# Altium PCB RTM_SFP.PcbDoc (part 6 of 7)
Units mm, origin at the board's own origin, x right, y up, seen from the top; angles counter-clockwise.
Board outline 182.5 x 148.5 mm, 4 copper layers (Top Layer, MidPlane_1, MidPlane_2, Bottom Layer), stack 0.883 mm thick; 377 components, 317 nets, 1528 pads, 1541 vias.
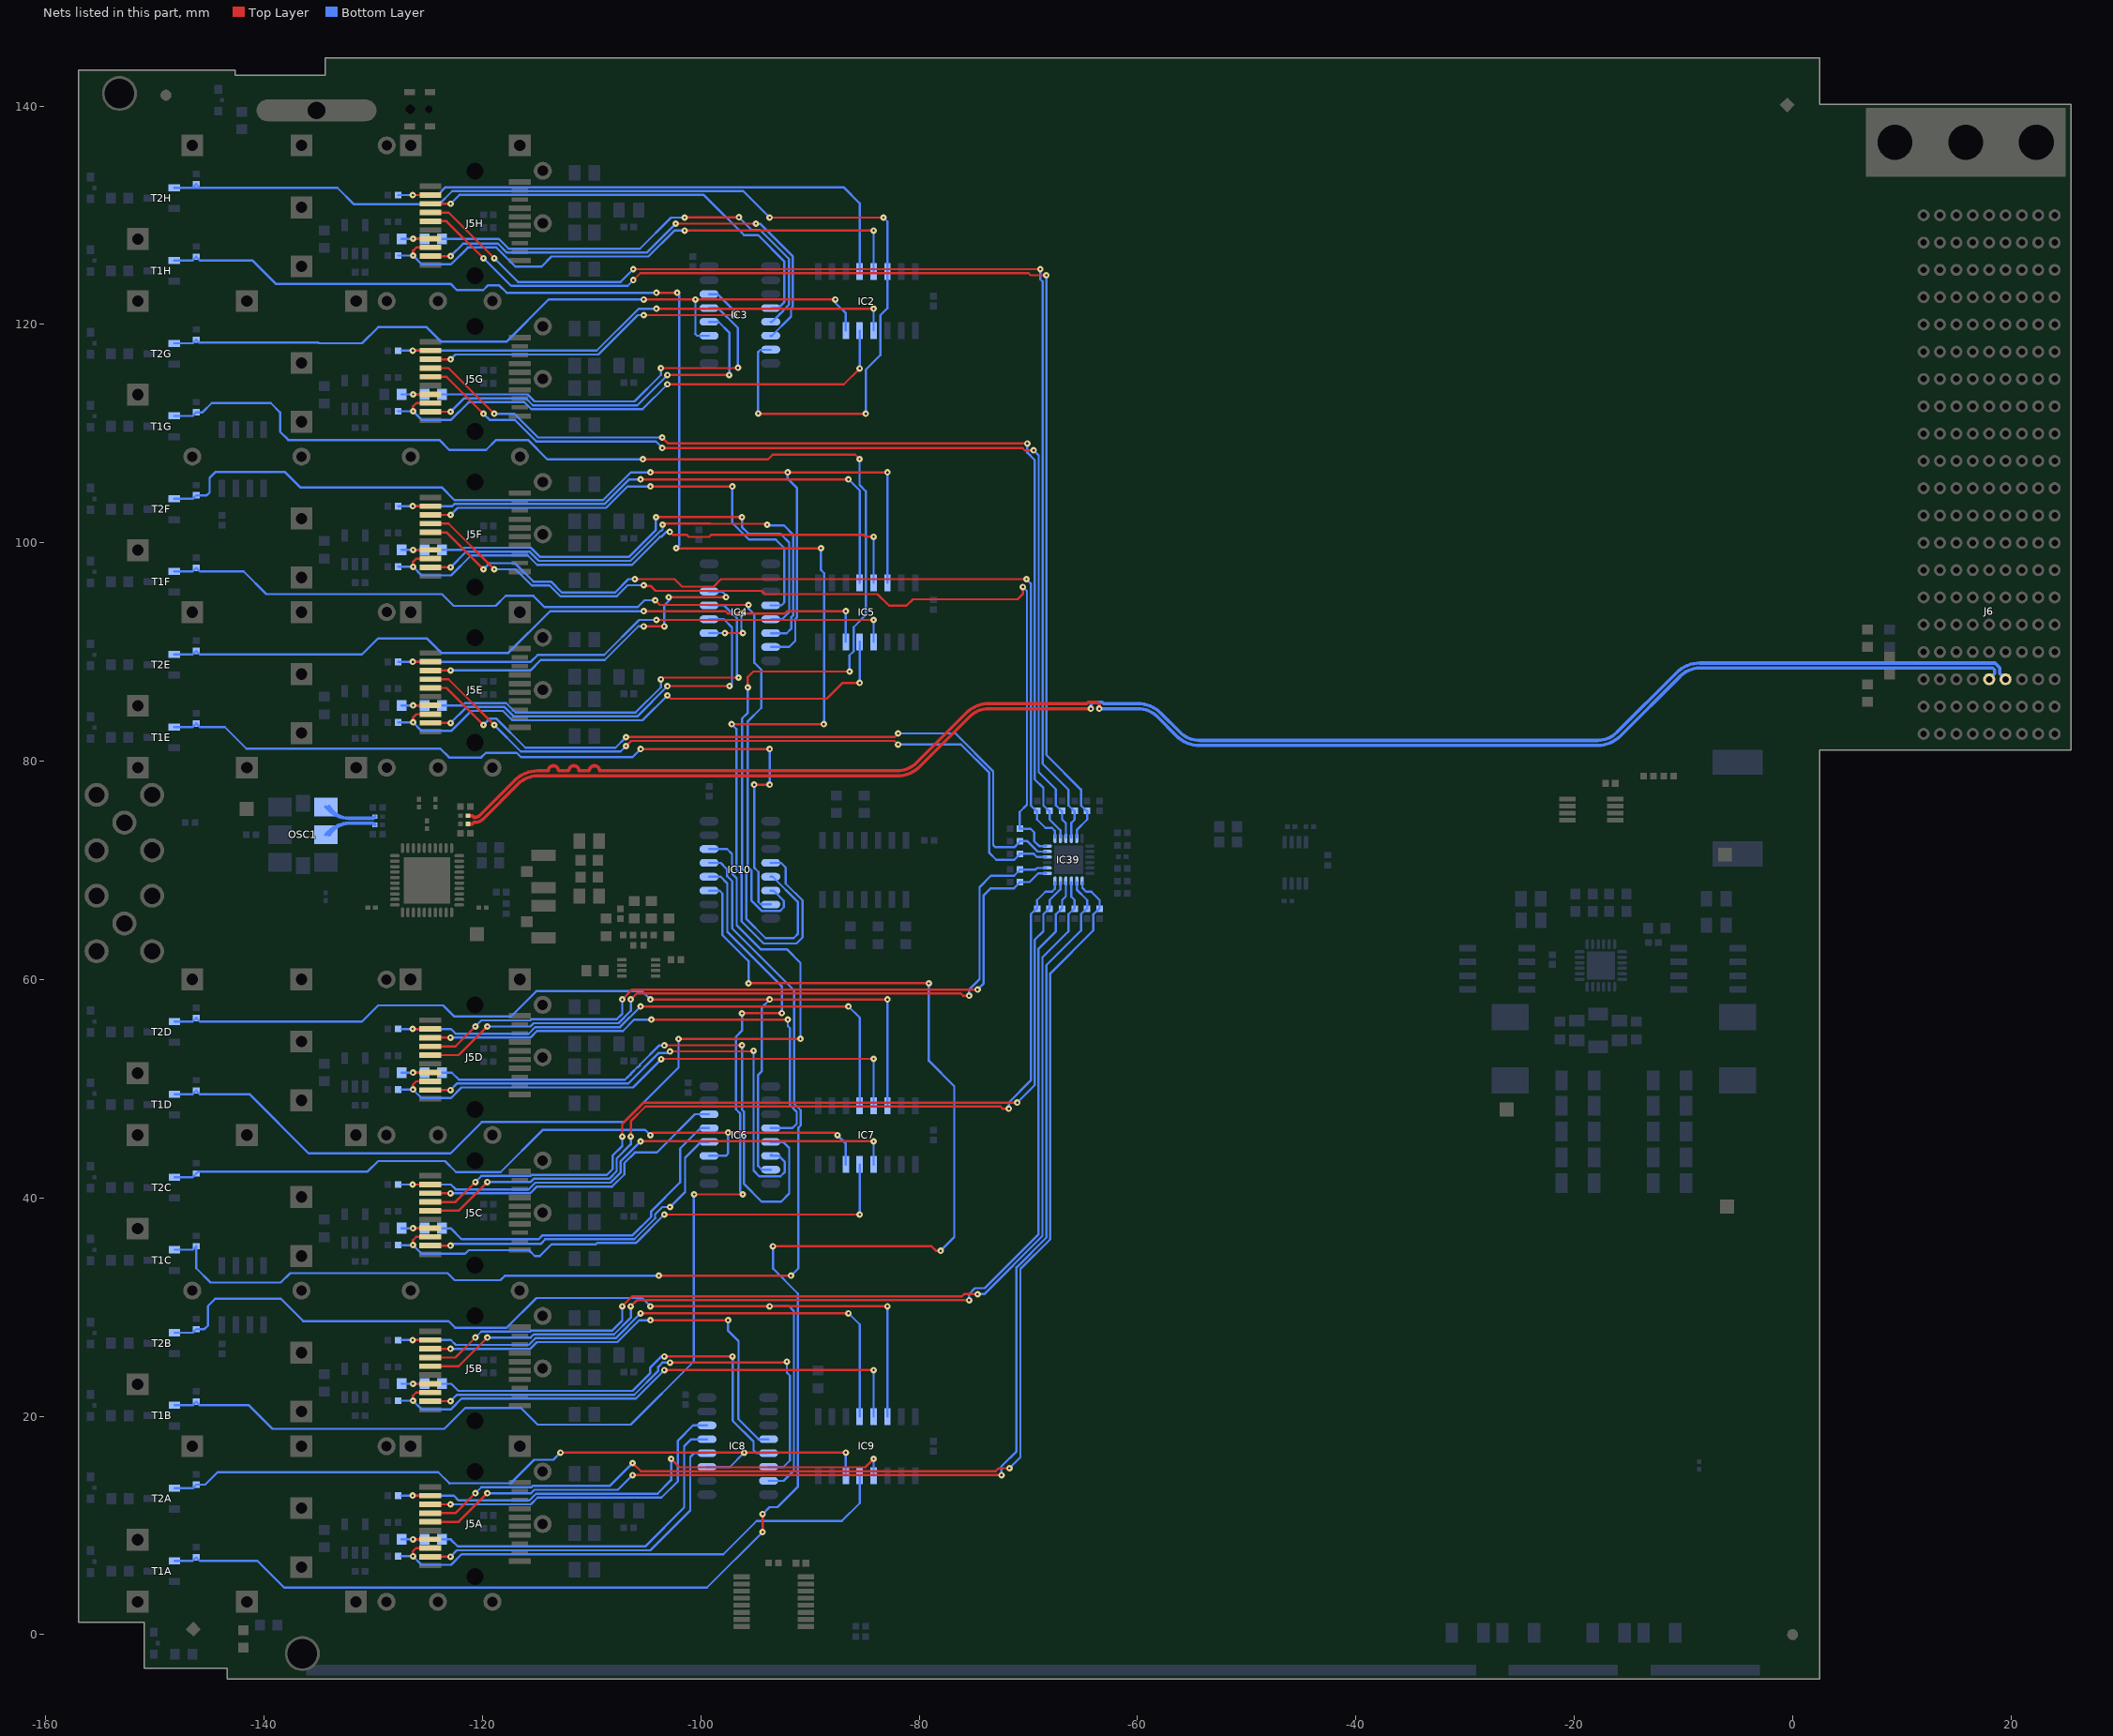
[diagram p8: the nets of this part, all layers, seen from the top]

## Via types
v1: diameter 0.6, hole 0.2, Top Layer to Bottom Layer, tented both sides, 1425 vias
v2: diameter 0.7, hole 0.3, Top Layer to Bottom Layer, tented both sides, 59 vias
v3: diameter 0.45, hole 0.2, Top Layer to Bottom Layer, tented both sides, 47 vias
v4: diameter 0.6, hole 0.2, Top Layer to Bottom Layer, 7 vias
v5: diameter 0.6, hole 0.3, Top Layer to Bottom Layer, tented both sides, 2 vias
v6: diameter 0.45, hole 0.2, Top Layer to Bottom Layer, 1 vias

## Nets (pads, with @x,y where several pads share a name; then routed paths per layer and width w, separated by ;. In a path a pad name is that pad's centre, name@x,y a point inside that pad or via, vN(x,y) a via of type N, cw(c..) or ccw(c..) an arc to the next point about the centre after c; other vN are vias at no path point) (continued)
SFP_I2C_1.SCL: IC39.2 J5A.5 R317.1 | length 112.1
  Top Layer w0.203: J5A.5@-124.79,10.326 -122.183,10.326 v1(-119.56,12.95) ; v1(-106.25,14.61) v1(-72.47,14.61)
  Bottom Layer w0.203: v1(-119.56,12.95) -115.56,12.95 -115.255,13.255 -107.605,13.255 v1(-106.25,14.61) ; v1(-72.47,14.61) -72.47,15.4 -71.089,16.781 -71.089,33.63 -68.353,36.366 -68.353,61.317 -65.185,64.485 -65.185,65.979 -64.674,66.49 R317.1@-64.615,66.49 -64.615,67.28 -65.569,68.234 IC39.2@-65.569,68.92
SFP_I2C_1.SDA: IC39.1 J5A.4 R316.1 | length 113.5
  Top Layer w0.203: J5A.4@-124.79,11.126 -122.483,11.126 v1(-120.66,12.95) ; v1(-106.25,15.71) -105.505,14.965 -72.995,14.965 -72.72,15.24 v1(-71.74,15.24)
  Bottom Layer w0.203: v1(-120.66,12.95) -120.106,13.504 -115.508,13.504 -115.402,13.61 -108.35,13.61 v1(-106.25,15.71) ; v1(-71.74,15.24) -70.734,16.246 -70.734,33.483 -67.998,36.219 -67.998,60.562 -64.04,64.52 -64.04,65.979 -63.529,66.49 R316.1@-63.47,66.49 -63.47,67.28 -64.235,68.045 -64.71,68.045 -65.069,68.404 IC39.1@-65.069,68.92
SFP_I2C_2.SCL: IC39.4 J5B.5 R319.1 | length 95
  Top Layer w0.203: J5B.5@-124.79,24.576 -122.183,24.576 v1(-119.56,27.2) ; v1(-106.42,30.07) -105.866,30.624 v1(-75.426,30.624)
  Bottom Layer w0.203: v1(-119.56,27.2) -115.61,27.2 -115.308,27.501 -107.952,27.501 -106.42,29.032 v1(-106.42,30.07) ; v1(-75.426,30.624) -75.426,31.192 -74.887,31.731 -73.993,31.731 -69.064,36.661 -69.064,62.826 -67.48,64.41 -67.48,65.979 -66.969,66.49 R319.1@-66.91,66.49 -66.91,67.28 -66.569,67.621 IC39.4@-66.569,68.92
SFP_I2C_2.SDA: IC39.3 J5B.4 R318.1 | length 95.3
  Top Layer w0.203: J5B.4@-124.79,25.376 -122.483,25.376 v1(-120.66,27.2) ; v1@-107.2,30.073 -106.294,30.979 -76.09,30.979 -75.891,31.178 v1(-74.658,31.178)
  Bottom Layer w0.203: v1(-120.66,27.2) -120.106,27.754 -115.626,27.754 -115.524,27.856 -108.099,27.856 -107.2,28.755 v1(-107.2,30.07) ; v1(-74.658,31.178) -74.045,31.178 -68.709,36.513 -68.709,62.031 -66.33,64.41 -66.33,65.979 -65.819,66.49 R318.1@-65.76,66.49 -65.76,67.28 -66.069,67.589 IC39.3@-66.069,68.92
SFP_I2C_3.SCL: IC39.6 J5C.5 R321.1 | length 81.8
  Top Layer w0.203: J5C.5@-124.79,38.826 -122.183,38.826 v1(-119.56,41.45) ; v1(-106.42,45.62) -106.42,47.03 -105.08,48.37 -72.56,48.37 -72.36,48.17 v1(-71.793,48.17)
  Bottom Layer w0.203: v1(-119.56,41.45) -115.61,41.45 -115.308,41.751 -108.414,41.751 -107.72,42.445 -107.72,43.605 -106.42,44.905 v1(-106.42,45.62) ; v1(-71.793,48.17) -71.793,48.74 -69.775,50.758 -69.775,65.979 -69.264,66.49 R321.1@-69.205,66.49 -69.205,67.28 -68.44,68.045 -67.84,68.045 -67.569,68.316 IC39.6@-67.569,68.92
SFP_I2C_3.SDA: IC39.5 J5C.4 R320.1 | length 81.3
  Top Layer w0.203: J5C.4@-124.79,39.626 -122.483,39.626 v1(-120.66,41.45) ; v1(-107.2,45.62) -107.2,46.753 -105.227,48.725 v1@-71.024,48.725
  Bottom Layer w0.203: v1(-120.66,41.45) -120.106,42.004 -115.626,42.004 -115.524,42.106 -108.614,42.106 -108.075,42.645 -108.075,43.875 -107.2,44.75 v1(-107.2,45.62) ; v1(-71.024,48.724) -69.42,50.328 -69.42,63.64 -68.63,64.43 -68.63,65.979 -68.119,66.49 R320.1@-68.06,66.49 -68.06,67.28 -67.069,68.271 IC39.5@-67.069,68.92
SFP_I2C_4.SCL: IC39.8 J5D.5 R323.1 | length 69.6
  Top Layer w0.203: J5D.5@-124.79,53.076 -122.183,53.076 v1(-119.56,55.7) ; v1(-106.42,58.17) -105.866,58.724 -76.194,58.724 -75.994,58.524 v1(-75.426,58.524)
  Bottom Layer w0.203: v1(-119.56,55.7) -115.61,55.7 -115.308,56.001 -107.557,56.001 -106.42,57.137 v1(-106.42,58.17) ; v1(-75.426,58.524) -75.426,59.094 -74.476,60.044 -74.476,68.459 -73.43,69.505 -71.306,69.505 -70.795,70.016 R323.1@-70.795,70.075 -69.355,70.075 -69.21,70.22 IC39.8@-68.369,70.22
SFP_I2C_4.SDA: IC39.7 J5D.4 R322.1 | length 68.5
  Top Layer w0.203: J5D.4@-124.79,53.876 -122.483,53.876 v1(-120.66,55.7) ; v1@-107.2,58.173 -106.294,59.079 v1(-74.658,59.078)
  Bottom Layer w0.203: v1(-120.66,55.7) -120.106,56.254 -115.626,56.254 -115.524,56.356 -107.704,56.356 -107.2,56.86 v1(-107.2,58.17) ; v1(-74.658,59.078) -74.12,59.615 -74.12,67.67 -73.43,68.36 -71.306,68.36 -70.795,68.871 R322.1@-70.795,68.93 -69.89,68.93 -69.1,69.72 IC39.7@-68.369,69.72
SFP_I2C_5.SCL: IC39.11 J5E.5 R330.1 | length 68.6
  Top Layer w0.203: J5E.5@-124.775,86.706 -123.296,86.706 v1(-119.91,83.32) ; v1(-106.86,82.206) -82.264,82.206 v1(-81.93,82.54)
  Bottom Layer w0.203: v1(-119.91,83.32) -119.35,83.88 -118.707,83.88 -116.067,81.24 -107.826,81.24 v1(-106.86,82.206) ; v1(-81.93,82.54) -76.69,82.54 -73.22,79.07 -73.22,72.31 -73.026,72.116 -71.29,72.116 -70.795,72.611 R330.1@-70.795,72.67 -70.1,72.67 -69.15,71.72 IC39.11@-68.369,71.72
SFP_I2C_5.SDA: IC39.10 J5E.4 R329.1 | length 68.7
  Top Layer w0.203: J5E.4@-124.775,87.506 -123.116,87.506 v1(-118.93,83.32) ; v1(-106.86,81.38) -106.389,81.851 -82.261,81.851 v1(-81.93,81.52)
  Bottom Layer w0.203: v1(-118.93,83.32) -116.495,80.885 -107.355,80.885 v1(-106.86,81.38) ; v1(-81.93,81.52) -76.173,81.52 -73.575,78.923 -73.575,71.595 -72.946,70.966 -71.29,70.966 -70.795,71.461 R329.1@-70.795,71.52 -69.52,71.52 -69.22,71.22 IC39.10@-68.369,71.22
SFP_I2C_6.SCL: IC39.13 J5F.5 R332.1 | length 83.5
  Top Layer w0.203: J5F.5@-124.775,100.956 -123.296,100.956 v1(-119.91,97.57) ; v1(-106.05,96.67) -102.406,96.67 -101.728,95.991 -98.837,95.991 -98.159,96.67 v1(-70.18,96.67)
  Bottom Layer w0.203: v1(-119.91,97.57) -119.345,98.135 -117.031,98.135 -115.344,96.447 -113.719,96.447 -112.728,95.455 -107.856,95.455 -106.641,96.67 v1(-106.05,96.67) ; v1(-70.18,96.67) -69.775,96.265 -69.775,75.956 -69.264,75.445 R332.1@-69.205,75.445 -69.205,74.655 -68.44,73.89 -67.84,73.89 -67.569,73.619 IC39.13@-67.569,73.02
SFP_I2C_6.SDA: IC39.12 J5F.4 R331.1 | length 85.4
  Top Layer w0.203: J5F.4@-124.775,101.756 -123.116,101.756 v1(-118.93,97.57) ; v1(-105.24,96.11) -105.167,96.037 -104.591,96.037 -104.159,95.606 -94.445,95.606 -94.141,95.302 -83.821,95.302 -82.761,94.242 -81.17,94.242 -80.583,94.829 -74.74,94.829 -74.737,94.832 -70.979,94.832 -70.51,95.301 v1(-70.51,95.96)
  Bottom Layer w0.203: v1(-118.93,97.57) -116.969,97.57 -115.491,96.092 -113.867,96.092 -112.875,95.1 -107.709,95.1 -106.699,96.11 v1@-105.26,96.11 ; v1(-70.51,95.96) -70.13,95.58 -70.13,76.01 -70.795,75.345 R331.1@-70.795,73.815 -69.805,73.815 -69.46,73.47 -69.46,72.66 -69.02,72.22 IC39.12@-68.369,72.22
SFP_I2C_7.SCL: IC39.15 J5G.5 R334.1 | length 94.8
  Top Layer w0.203: J5G.5@-124.775,115.206 -123.296,115.206 v1(-119.91,111.82) ; v1(-103.53,108.69) -70.553,108.69 -70.329,108.466 v1(-69.514,108.466)
  Bottom Layer w0.203: v1(-119.91,111.82) -119.356,111.266 -117.056,111.266 -115.083,109.293 -104.133,109.293 v1(-103.53,108.69) ; v1(-69.514,108.466) -69.064,108.016 -69.064,78.994 -67.48,77.41 -67.48,75.956 -66.969,75.445 R334.1@-66.91,75.445 -66.91,74.655 -66.569,74.314 IC39.15@-66.569,73.02
SFP_I2C_7.SDA: IC39.14 J5G.4 R333.1 | length 94.8
  Top Layer w0.203: J5G.4@-124.775,116.006 -123.116,116.006 v1(-118.93,111.82) ; v1(-103.539,109.649) -102.99,109.1 v1(-70.1,109.1)
  Bottom Layer w0.203: v1(-118.93,111.82) -117.08,111.82 -114.909,109.649 v1(-103.539,109.649) ; v1@-70.1,109.02 -70.1,108.26 -69.419,107.579 -69.419,78.339 -68.63,77.55 -68.63,75.956 -68.119,75.445 R333.1@-68.06,75.445 -68.06,74.655 -67.069,73.664 IC39.14@-67.069,73.02
SFP_I2C_8.SCL: IC39.17 J5H.5 R336.1 | length 112.9
  Top Layer w0.203: J5H.5@-124.775,129.456 -123.296,129.456 v1(-119.91,126.07) ; v1(-106.19,124.06) -105.545,124.705 -69.98,124.705 -69.781,124.506 v1(-68.353,124.506)
  Bottom Layer w0.203: v1(-119.91,126.07) -117.383,123.543 -106.707,123.543 v1(-106.19,124.06) ; v1(-68.353,124.506) -68.353,80.563 -65.185,77.395 -65.185,75.956 -64.674,75.445 R336.1@-64.615,75.445 -64.615,74.655 -65.569,73.701 IC39.17@-65.569,73.02
SFP_I2C_8.SDA: IC39.16 J5H.4 R335.1 | length 112.5
  Top Layer w0.203: J5H.4@-124.775,130.256 -123.116,130.256 v1(-118.93,126.07) ; v1(-106.19,125.06) v1(-68.908,125.06)
  Bottom Layer w0.203: v1(-118.93,126.07) -116.759,123.899 -107.351,123.899 v1(-106.19,125.06) ; v1(-68.908,125.06) -68.908,124.148 -68.708,123.948 -68.708,79.768 -66.33,77.39 -66.33,75.956 -65.819,75.445 R335.1@-65.76,75.445 -65.76,74.655 -66.069,74.346 IC39.16@-66.069,73.02
SFP_LED1_1: IC2.14 IC3.7 R10H.2 T2H.1 | length 103.7
  Top Layer w0.203: v1(-94.75,111.845) -94.725,111.82 v1(-84.9,111.82) ; v1(-93.695,129.79) v1(-83.28,129.79)
  Bottom Layer w0.203: T2H.1@-148.25,132.525 -146.22,132.525 -145.89,132.525 ; R10H.2@-146.5,132.575 R10H.2@-146.22,132.855 -145.89,132.525 ; v1(-94.75,111.845) -94.75,117.475 -94.55,117.675 IC3.7@-93.6,117.675 ; v1@-93.73,129.745 v1@-93.7,129.775 ; v1(-93.695,129.79) -96.12,132.215 -122.766,132.215 -123.981,131 -131.765,131 -133.29,132.525 -145.89,132.525 ; v1(-84.9,111.82) -84.9,115.85 -83.568,117.182 -83.568,120.832 -82.91,121.49 IC2.14@-82.91,124.836 -82.91,129.42 v1(-83.28,129.79)
SFP_LED1_2: IC2.6 IC3.11 R10G.2 T2G.1 | length 71.4
  Top Layer w0.203: v1(-105.24,122.29) -105.231,122.281 v1@-100.516,122.281 ; v1(-100.505,122.281) v1@-100.516,122.281 ; v1(-87.681,122.29) -100.525,122.29 v1@-100.516,122.281
  Bottom Layer w0.203: T2G.1@-148.25,118.275 -146.55,118.275 R10G.2@-146.22,118.605 -145.946,118.331 -135.042,118.331 -134.986,118.275 -131.035,118.275 -129.56,119.75 -125.11,119.75 -123.78,118.42 -117.81,118.42 -113.94,122.29 v1(-105.24,122.29) ; v1(-100.505,122.281) -100.505,119.17 -100.525,119.15 -100.345,118.97 IC3.11@-99.25,118.97 ; v1(-87.681,122.29) -87.681,121.981 -86.72,121.02 IC2.6@-86.72,119.436
SFP_LED1_3: IC4.7 IC5.14 R10F.2 T2F.1 | length 97.7
  Top Layer w0.203: v1(-104.62,106.45) v1(-92.05,106.451) v1(-82.91,106.45)
  Bottom Layer w0.203: T2F.1@-148.25,104.025 -146.55,104.025 R10F.2@-146.22,104.355 -145.25,104.355 -145,104.605 -145,105.95 -144.45,106.5 -138.12,106.5 -136.7,105.08 -123.74,105.08 -122.57,103.91 -108.97,103.91 -106.43,106.45 v1(-104.62,106.45) ; IC4.7@-93.575,90.461 -91.911,90.461 -91.346,91.026 -91.346,93.03 -91.185,93.19 -91.185,104.997 -92.05,105.861 v1(-92.05,106.451) ; IC5.14@-82.91,96.336 v1(-82.91,106.45)
SFP_LED1_4: IC4.11 IC5.6 R10E.2 T2E.1 | length 72.5
  Top Layer w0.203: v1(-105.24,93.736) -97.736,93.736 -97.523,93.523 v1(-96.291,93.523) -92.342,93.523 -92.129,93.736 v1(-86.72,93.736) ; v1(-97.802,91.731) v1(-96.151,91.731)
  Bottom Layer w0.203: T2E.1@-148.25,89.775 -146.55,89.775 R10E.2@-146.22,90.105 -145.89,89.775 -131.035,89.775 -129.56,91.25 -125.11,91.25 -123.78,89.92 -117.63,89.92 -113.814,93.736 v1(-105.24,93.736) ; IC4.11@-99.25,91.731 v1(-97.802,91.731) ; v1(-96.291,93.523) -96.291,91.872 v1(-96.151,91.731) ; IC5.6@-86.72,90.936 v1(-86.72,93.736)
SFP_LED1_5: IC6.7 IC7.14 R10D.2 T2D.1 | length 94.6
  Top Layer w0.203: v1(-104.62,58.17) v1(-93.695,58.17) v1(-82.91,58.17)
  Bottom Layer w0.203: T2D.1@-148.225,56.15 -146.55,56.15 R10D.2@-146.22,56.48 -145.89,56.15 -131.035,56.15 -129.56,57.625 -123.599,57.625 -122.583,56.609 -117.401,56.609 -115.08,58.93 -105.38,58.93 v1(-104.62,58.17) ; -94.754,46.446 -94.754,45.859 -94.755,45.857 -94.755,42.914 -94.423,42.581 IC6.7@-93.6,42.581 ; -94.754,46.447 -94.754,51.274 -94.411,51.618 -94.411,53.999 ; -94.412,54 -94.412,57.453 v1(-93.695,58.17) ; IC7.14@-82.91,48.456 v1(-82.91,58.17)
SFP_LED1_6: IC6.11 IC7.6 R10C.2 T2C.1 | length 70.5
  Top Layer w0.203: v1(-104.62,45.74) -104.386,45.974 v1(-97.511,45.974) -87.724,45.974 v1(-87.49,45.74)
  Bottom Layer w0.203: T2C.1@-148.225,41.9 -146.55,41.9 R10C.2@-146.22,42.23 -146.039,42.411 -130.524,42.411 -129.56,43.375 -123.435,43.375 -122.419,42.359 -118.351,42.359 -114.47,46.24 -105.12,46.24 v1(-104.62,45.74) ; IC6.11@-99.25,43.851 -97.715,43.851 -97.511,44.056 v1(-97.511,45.974) ; v1(-87.49,45.74) -86.72,44.97 IC7.6@-86.72,43.056
SFP_LED1_7: IC8.7 IC9.14 R10B.2 T2B.1 | length 100
  Top Layer w0.203: v1(-104.62,30.07) v1(-93.695,30.07) v1(-82.91,30.07)
  Bottom Layer w0.203: T2B.1@-148.225,27.65 -146.55,27.65 R10B.2@-146.22,27.98 -145.47,27.98 -145.15,28.3 -145.15,30.1 -144.49,30.76 -138.47,30.76 -136.415,28.705 -123.105,28.705 -122.509,28.109 -117.791,28.109 -115.07,30.83 -105.38,30.83 v1(-104.62,30.07) ; IC8.7@-93.8,14.081 -92.419,14.081 -91.475,15.025 -91.475,29.625 -91.92,30.07 v1(-93.695,30.07) ; IC9.14@-82.91,19.956 v1(-82.91,30.07)
SFP_LED1_8: IC8.11 IC9.6 R10A.2 T2A.1 | length 69.8
  Top Layer w0.203: v1(-112.859,16.67) v1(-96.025,16.67) v1(-86.72,16.67)
  Bottom Layer w0.203: T2A.1@-148.21,13.399 -146.55,13.399 R10A.2@-146.22,13.729 -145.41,13.729 -144.265,14.874 -124.054,14.874 -123.03,13.85 -123.021,13.859 -117.421,13.859 -115.27,16.01 -113.519,16.01 v1(-112.859,16.67) ; IC8.11@-99.45,15.351 -97.344,15.351 v1(-96.025,16.67) ; IC9.6@-86.72,14.556 v1(-86.72,16.67)
SFP_LED2_1: IC10.4 R12H.2 T1H.1 | length 143.1
  Top Layer w0.203: v1(-104.08,122.91) v1(-102.175,122.91) ; v1(-102.26,99.502) v1(-89,99.502) ; v1(-97.18,83.388) v1(-88.748,83.388)
  Bottom Layer w0.203: T1H.1@-148.25,125.875 -146.55,125.875 R12H.2@-146.22,126.205 -145.89,125.875 -141.085,125.875 -138.93,123.72 -122.91,123.72 -122.35,123.16 -119.94,123.16 -119.53,123.57 -118.45,123.57 -117.79,122.91 v1(-104.08,122.91) ; v1(-102.26,99.502) -101.996,99.766 -101.996,122.731 v1(-102.175,122.91) ; v1(-97.18,83.388) -96.75,82.958 -96.75,70.07 -96.275,69.595 -96.275,65.325 -94.25,63.3 -91.25,63.3 -90.675,63.875 -90.675,67.225 -92.225,68.775 -92.225,70.25 -92.66,70.685 IC10.4@-93.6,70.685 ; v1(-89,99.502) -89,97.51 -88.706,97.217 -88.706,83.43 v1(-88.748,83.388)
SFP_LED2_2: IC10.5 R12G.2 T1G.1 | length 131.9
  Top Layer w0.203: v1(-105.31,107.65) -93.846,107.65 -93.419,108.077 -85.877,108.077 v1(-85.471,107.671) ; v1(-95.698,86.757) -95.698,87.24 -95.704,87.246 -95.704,87.704 -95.194,88.214 v1(-86.385,88.214)
  Bottom Layer w0.203: T1G.1@-148.25,111.625 -146.55,111.625 R12G.2@-146.22,111.955 -145.645,111.955 -144.8,112.8 -139.4,112.8 -138.53,111.93 -138.53,110.16 -137.79,109.42 -123.95,109.42 -123.04,108.51 -119.67,108.51 -118.76,109.42 -115.84,109.42 -114.07,107.65 v1(-105.31,107.65) ; v1(-95.698,86.757) -95.698,84.432 -96.235,83.895 -96.235,70.16 -95.825,69.75 -95.825,65.545 -94.08,63.8 -91.5,63.8 -91.1,64.2 -91.1,67.075 -93.44,69.415 IC10.5@-93.6,69.415 ; v1(-86.385,88.214) -86.385,89.689 -86.004,90.071 -86.004,92.279 -84.896,93.386 -84.896,95.455 -84.896,104.728 -85.471,105.303 v1(-85.471,107.671)
SFP_LED2_3: IC10.6 R12F.2 T1F.1 | length 89.3
  Top Layer w0.203: v1(-104.185,94.745) -103.751,94.31 v1(-95.631,94.31)
  Bottom Layer w0.203: T1F.1@-148.25,97.375 -146.55,97.375 R12F.2@-146.22,97.705 -145.89,97.375 -141.885,97.375 -139.81,95.3 -123.71,95.3 -122.635,94.225 -118.8,94.225 -117.875,95.15 -115.35,95.15 -114.325,94.125 -105.775,94.125 -105.155,94.745 v1(-104.185,94.745) ; v1(-95.631,94.31) -95.631,93.955 -95.098,93.421 -95.098,89.006 -94.465,88.374 -94.465,84.885 -95.725,83.625 -95.725,70.35 -95.375,70 -95.375,67.249 -94.397,66.271 -92.825,66.271 ; IC10.6@-93.6,68.145 -93.345,68.145 -92.4,67.2 -92.4,66.625 -92.754,66.271 -92.824,66.271
SFP_LED2_4: IC10.7 R12E.2 T1E.1 | length 73.4
  Top Layer w0.203: v1(-105.505,81.115) v1(-93.695,81.115) ; v1(-95.115,77.85) v1(-93.695,77.85)
  Bottom Layer w0.203: T1E.1@-148.25,83.125 -146.55,83.125 R12E.2@-146.22,83.455 -145.89,83.125 -143.595,83.125 -141.62,81.15 -123.87,81.15 -123.06,80.34 -120.12,80.34 -119.704,80.756 -116.869,80.756 -116.483,80.37 -106.25,80.37 v1(-105.505,81.115) ; v1(-95.115,77.85) -95.115,70.243 -95.02,70.147 -94.728,69.856 -94.728,69.666 -94.729,69.165 -94.728,68.396 -94.729,67.106 -94.498,66.875 IC10.7@-93.6,66.875 ; v1(-93.695,77.85) v1(-93.695,81.115)
SFP_LED2_5: IC10.14 R12D.2 T1D.1 | length 89
  Top Layer w0.203: v1@-102.057,54.57 v1(-90.875,54.57)
  Bottom Layer w0.203: T1D.1@-148.225,49.5 -146.55,49.5 R12D.2@-146.22,49.83 -145.89,49.5 -141.35,49.5 -135.93,44.08 -122.92,44.08 -120.05,46.95 -107.039,46.95 -102.05,51.939 v1(-102.05,54.559) ; IC10.14@-99.25,71.955 -97.6,71.955 -97.15,71.505 -97.15,69.7 -96.725,69.275 -96.725,64.98 -94.52,62.775 -92.129,62.775 -90.875,61.521 v1(-90.875,54.57)
SFP_LED2_6: IC10.13 R12C.2 T1C.1 | length 102.3
  Top Layer w0.203: v1(-103.85,32.87) v1(-91.75,32.87)
  Bottom Layer w0.203: T1C.1@-148.225,35.25 -146.55,35.25 R12C.2@-146.22,35.58 -146.22,33.56 -144.9,32.24 -138.49,32.24 -137.62,33.11 -123.2,33.11 -122.55,32.46 -118.36,32.46 -117.95,32.87 v1(-103.85,32.87) ; IC10.13@-99.25,70.685 -98.19,70.685 -97.6,70.095 -97.6,69.475 -97.125,69 -97.125,64.675 -91.45,59 -91.45,48.625 -90.862,48.037 -90.862,46.645 -91.059,46.448 -91.059,33.561 v1(-91.75,32.87)
SFP_LED2_7: IC10.12 R12B.2 T1B.1 | length 108.9
  Top Layer w0.203: v1(-100.61,40.325) v1(-96.164,40.326) v1(-96.164,40.326) ; v1(-96.235,56.9) -96.214,56.921 v1(-92.583,56.921)
  Bottom Layer w0.203: T1B.1@-148.225,21 -146.55,21 R12B.2@-146.22,21.33 -145.89,21 -141.39,21 -139.23,18.84 -123.5,18.84 -121.59,20.75 -116.483,20.75 -114.959,19.226 -106.424,19.226 -100.65,25 -100.65,40.285 v1(-100.61,40.325) ; IC10.12@-99.25,69.415 -98.19,69.415 -97.575,68.8 -97.575,64.38 -92.583,59.388 v1(-92.583,56.921) ; v1(-96.235,56.9) -96.235,55.305 -96.789,54.751 -96.789,48.118 -96.476,47.805 -96.395,47.724 -96.395,40.557 v1(-96.164,40.326)
SFP_LED2_8: IC10.11 R12A.2 T1A.1 | length 154.7
  Top Layer w0.203: v1(-95.626,59.655) v1(-79.122,59.655) ; v1(-94.34,9.4) v1(-94.34,11.04) ; v1(-93.396,35.56) -78.867,35.56 -78.461,35.154 v1(-78.029,35.154)
  Bottom Layer w0.203: T1A.1@-148.21,6.749 -146.55,6.749 R12A.2@-146.22,7.079 -145.89,6.749 -140.619,6.749 -138.167,4.297 -99.443,4.297 v1(-94.34,9.4) ; IC10.11@-99.25,68.145 -98.295,68.145 -98.025,67.875 -98.025,64.075 -95.625,61.675 v1(-95.626,59.655) ; v1(-94.34,11.04) -93.705,11.675 -92.975,11.675 -91.1,13.55 -91.1,24.025 -91.109,24.034 -91.109,31.234 -93.396,33.521 v1(-93.396,35.56) ; v1(-79.122,59.655) -79.121,52.553 -76.784,50.217 -76.784,36.398 v1(-78.029,35.154)
SFP_LOS1: IC2.13 J5H.8 R404H.1 | length 52.5
  Top Layer w0.203: v1(-126.363,126.305) -126.363,126.752 -126.058,127.056 J5H.8@-124.775,127.056 ; v1(-101.48,128.6) v1(-84.18,128.6)
  Bottom Layer w0.203: R404H.1@-127.73,126.305 v1(-126.363,126.305) -125.578,125.52 -122.877,125.52 -121.343,127.054 -118.732,127.054 -116.98,125.303 -114.597,125.303 -113.676,126.224 -104.811,126.224 -102.435,128.6 v1(-101.48,128.6) ; IC2.13@-84.18,124.836 v1(-84.18,128.6)
SFP_LOS2: IC2.5 J5G.8 R404G.1 | length 50.7
  Top Layer w0.203: v1(-126.363,112.055) -126.363,112.502 -126.058,112.806 J5G.8@-124.775,112.806 ; v1(-103.06,114.52) -86.9,114.52 v1(-85.45,115.97)
  Bottom Layer w0.203: R404G.1@-127.73,112.045 -127.72,112.055 v1(-126.363,112.055) -125.578,111.27 -122.877,111.27 -121.258,112.889 -116.176,112.889 -115.527,112.24 -105.34,112.24 v1(-103.06,114.52) ; v1(-85.45,115.97) IC2.5@-85.45,119.436
SFP_LOS3: IC5.13 J5F.8 R404F.1 | length 53
  Top Layer w0.203: v1(-126.363,97.805) -126.363,98.252 -126.058,98.556 J5F.8@-124.775,98.556 ; v1(-102.845,101) -102.588,100.743 -101.31,100.743 -101.106,100.539 -99.236,100.539 -99.032,100.743 -85.11,100.743 -84.914,100.547 v1(-84.18,100.547)
  Bottom Layer w0.203: R404F.1@-127.73,97.805 v1(-126.363,97.805) -125.578,97.02 -122.877,97.02 -121.051,98.845 -115.857,98.845 -115.001,97.99 -106.295,97.99 -103.737,100.547 -103.623,100.547 -103.17,101 v1(-102.845,101) ; IC5.13@-84.18,96.336 v1(-84.18,100.547)
SFP_LOS4: IC5.5 J5E.8 R404E.1 | length 51.3
  Top Layer w0.203: v1(-126.363,83.555) -126.363,84.002 -126.058,84.306 J5E.8@-124.775,84.306 ; v1(-103.06,86.02) -102.757,85.717 -88.473,85.717 -87.02,87.17 v1(-85.45,87.17)
  Bottom Layer w0.203: R404E.1@-127.73,83.555 v1(-126.363,83.555) -125.578,82.77 -122.877,82.77 -121.258,84.389 -121.041,84.605 -118.131,84.605 -117.265,83.74 -105.34,83.74 v1(-103.06,86.02) ; v1(-85.45,87.17) IC5.5@-85.45,90.936
SFP_LOS5: IC7.13 J5D.8 R404D.1 | length 51.5
  Top Layer w0.203: v1(-126.377,49.925) -126.377,50.371 -126.072,50.676 J5D.8@-124.79,50.676 ; v1(-103.63,52.703) -103.603,52.73 -84.183,52.73 v1(-84.18,52.727)
  Bottom Layer w0.203: -127.414,49.925 v1(-126.377,49.925) -125.592,49.14 -122.891,49.14 -121.921,50.109 -106.223,50.109 v1(-103.63,52.703) ; IC7.13@-84.18,48.456 v1(-84.18,52.727)